# Altium PCB ControleBluePill.PcbDoc
Units mm, origin at the board's own origin, x right, y up, seen from the top; angles counter-clockwise.
Board outline 71.04 x 38.25 mm, 2 copper layers (Top Layer, Bottom Layer); 36 components, 33 nets, 150 pads, 23 vias.
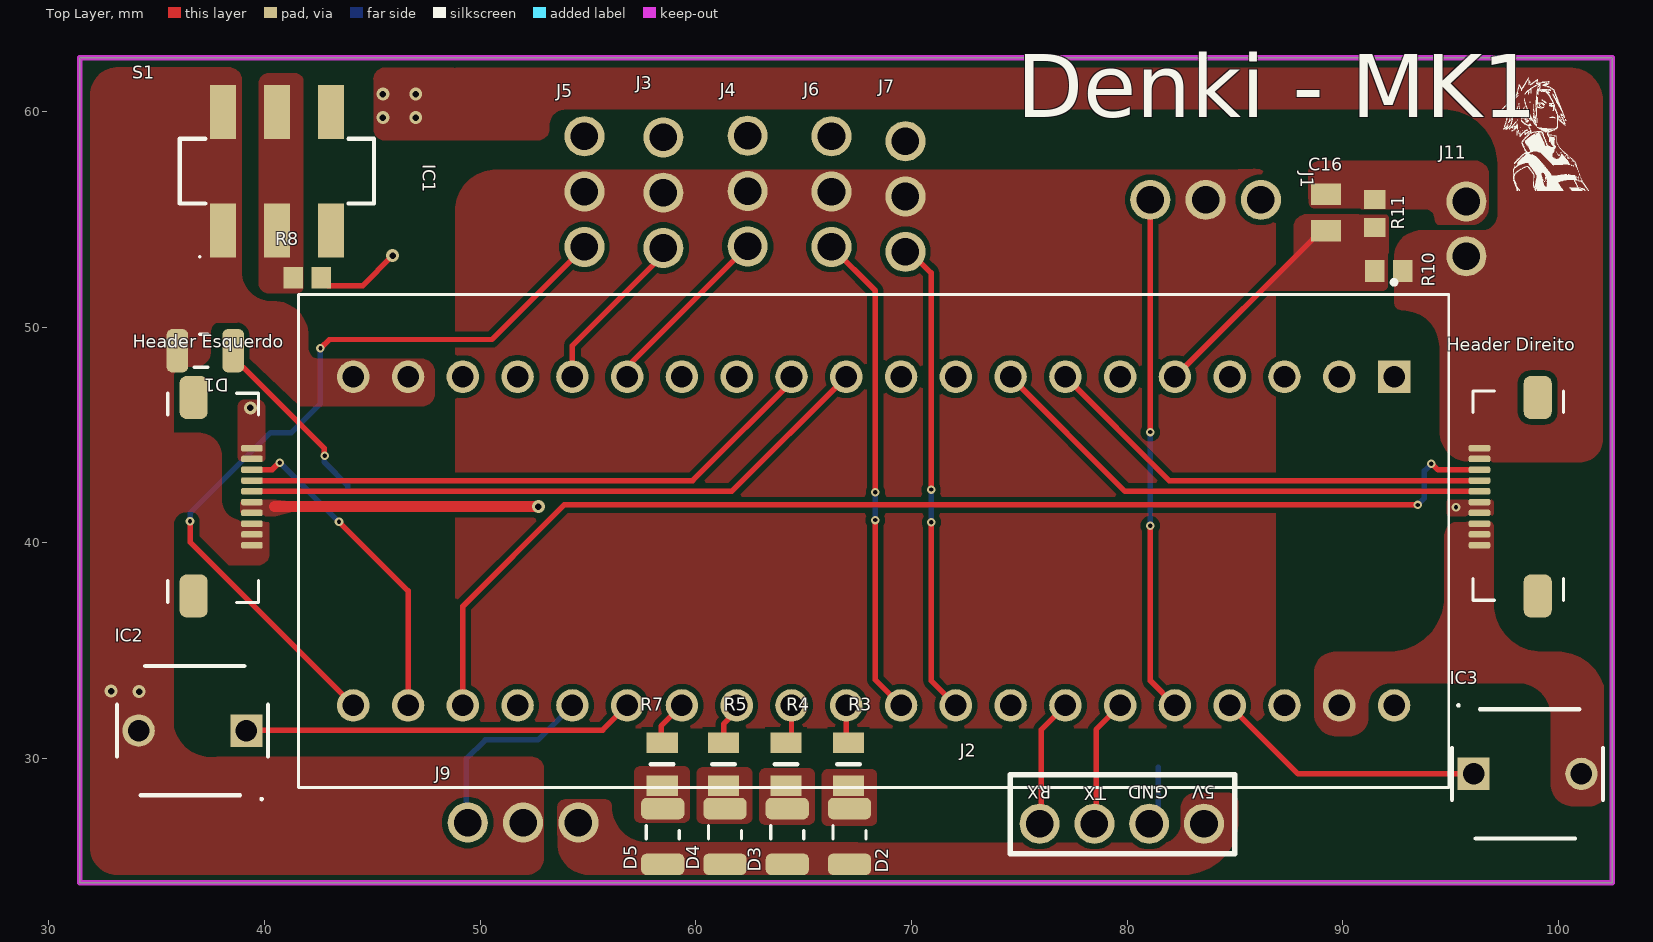
[diagram p0: Top Layer view]
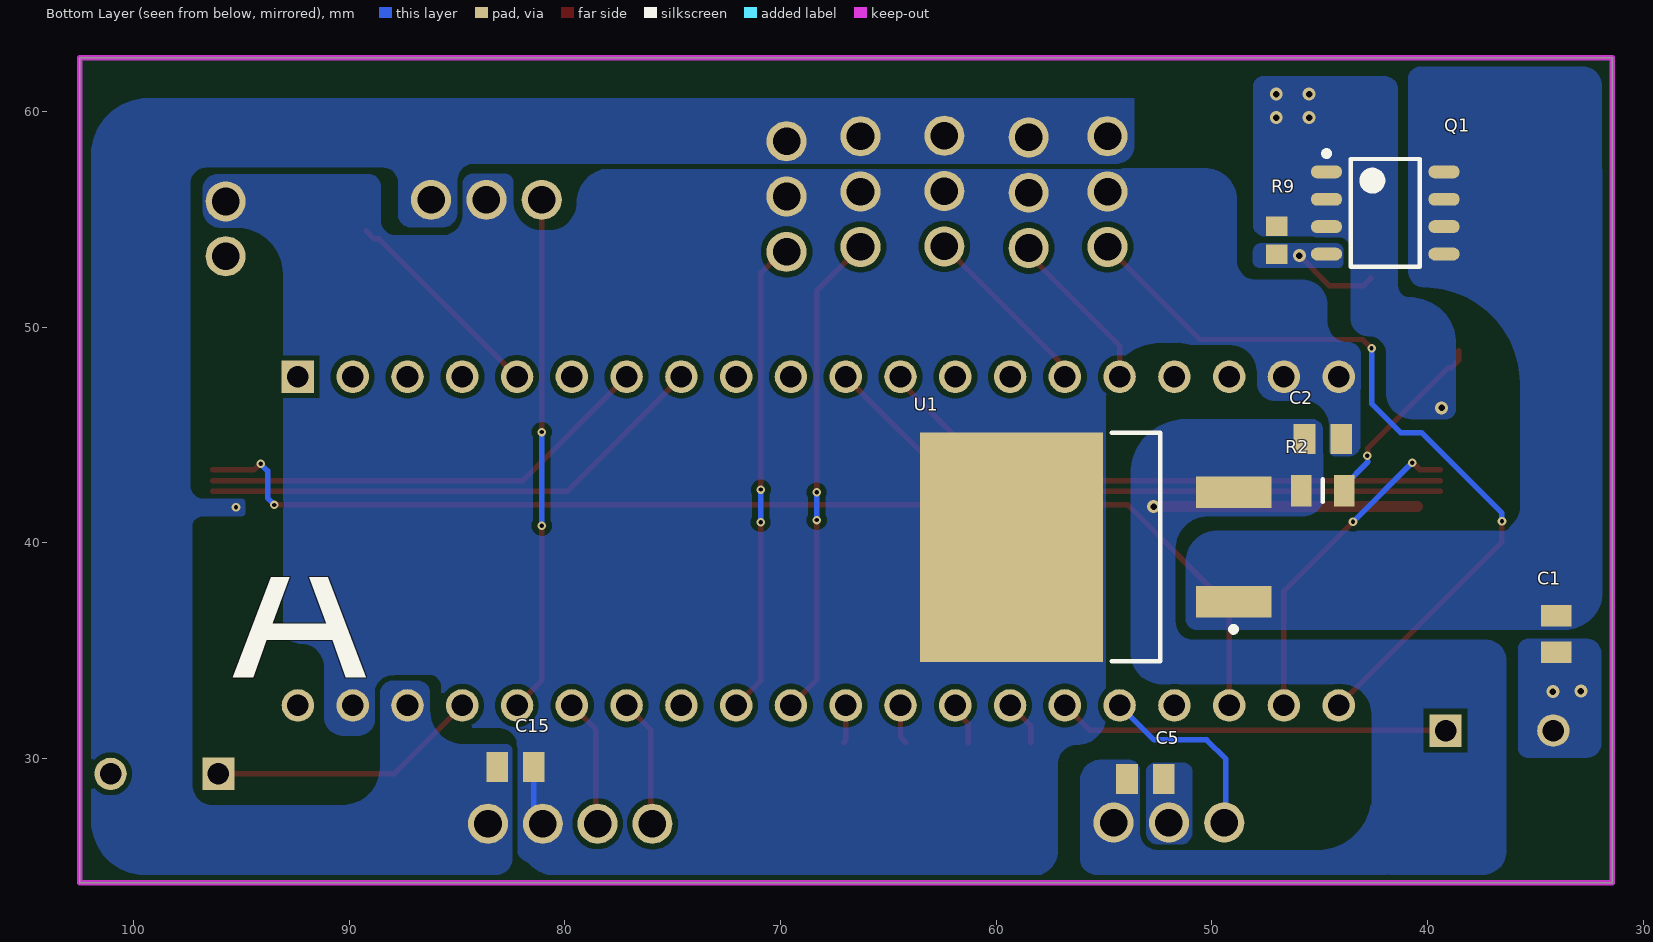
[diagram p1: Bottom Layer view, seen from below]
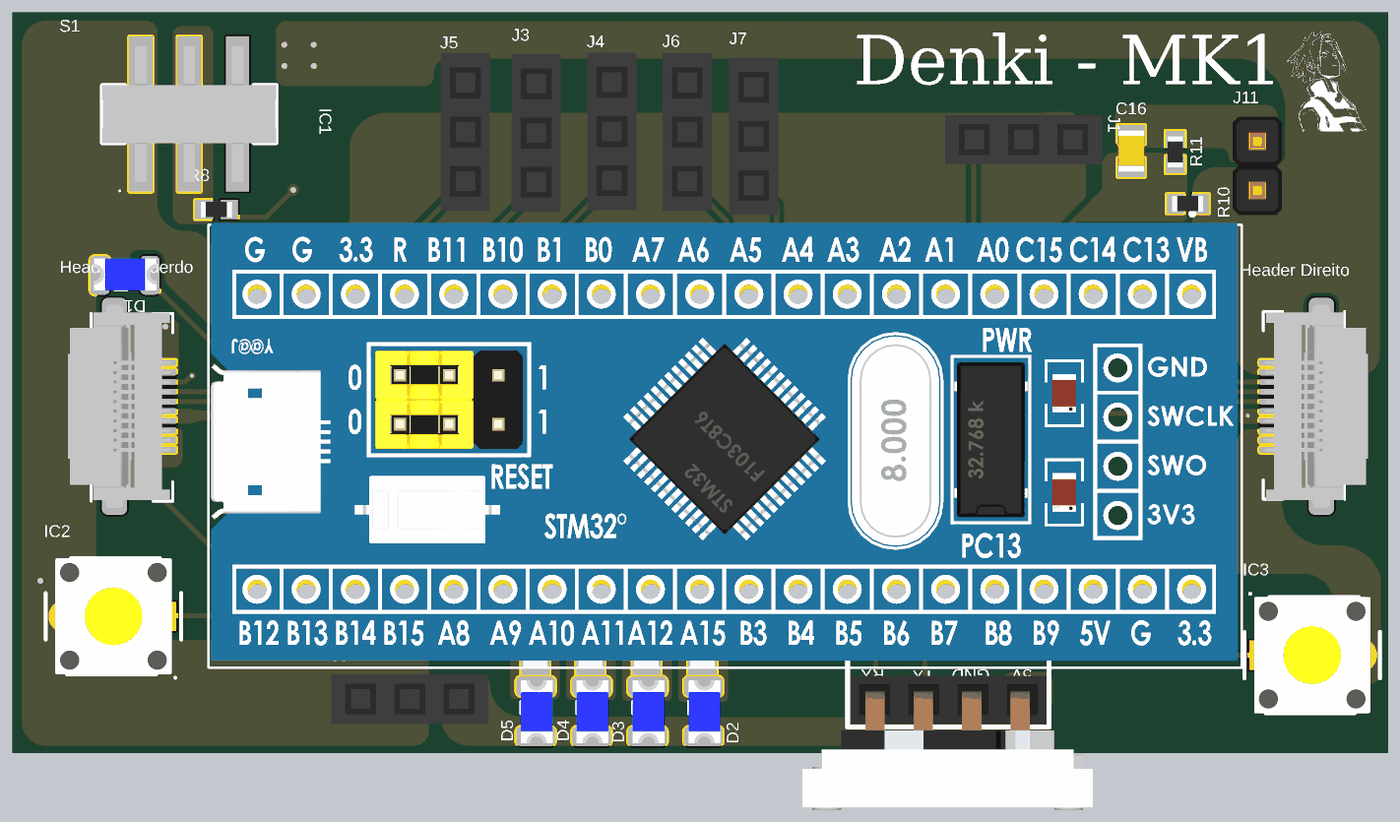
[diagram p2: 3D render of the assembled board from above, using the file's embedded part models]
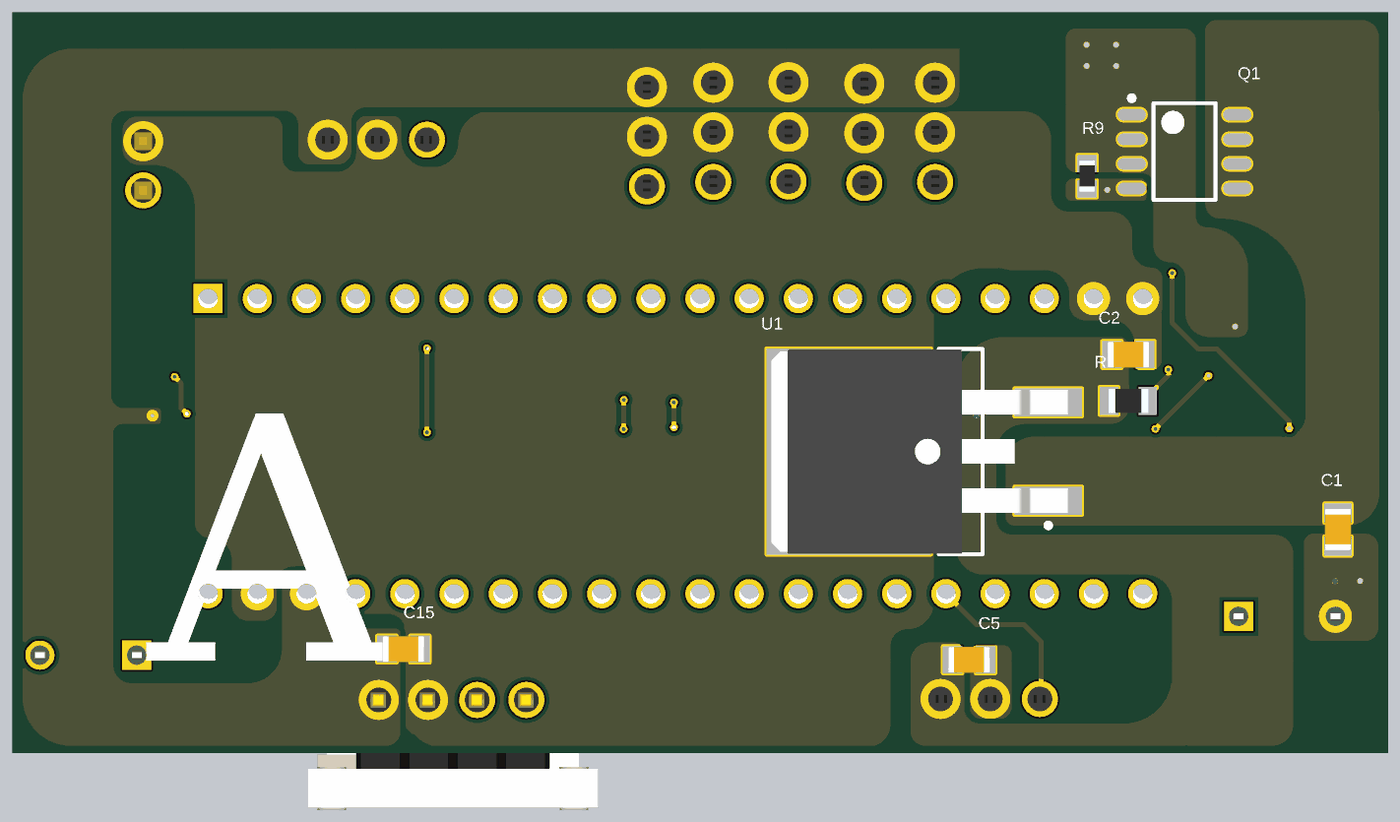
[diagram p3: 3D render of the assembled board from below, using the file's embedded part models]

## Layer stack, top to bottom
Top Solder: solder mask 0.0102, Solder Resist, Dk 3.5
Top Layer: signal copper 0.0356
Dielectric 1: dielectric 0.32, FR-4, Dk 4.8
Bottom Layer: signal copper 0.0356
Bottom Solder: solder mask 0.0102, Solder Resist, Dk 3.5

## Board outline
31.445,24.232 102.489,24.232 102.489,62.484 31.445,62.484

## Design rules (kind name [scope] priority, off if disabled: settings)
Clearance [All] p1: gap=0.254 ignorepadtopadclearanceinfootprint=TRUE except(0: Arc-Hole Track-Hole SMDPad-Hole THPad-Hole Via-Hole Fill-Hole Poly-Hole Region-Hole Text-Hole; 0.1: Arc-Arc Arc-Track Arc-SMDPad Track-Track Track-SMDPad SMDPad-SMDPad)
Height [All] p1: minheight=0 maxheight=1000 prefheight=0
PolygonConnect [All] p1: connectstyle=Direct reliefconductorwidth=0.254 reliefentries=4 polygonreliefangle="90 Angle" airgapwidth=0.254
RoutingVias [All] p1: holewidth=0.711 width=1.27 viastyle="Through Hole" minholewidth=0.711 minwidth=1.27 maxholewidth=0.711 maxwidth=1.27
SolderMaskExpansion [All] p1: expansion=0.102 istentingtop=FALSE
Width [All] p1: maxlimit=1 minlimit=0.254 preferedwidth=0.254 minimp=50.000000 maximp=50.000000 favimp=50.000000
29 further rules are at their usual default settings.

## Classes and differential pairs
component class FontesLineares: C1 C2 D1 Q1 R2 R8 R9 S1 U1
component class controleSTM: C5 C15 C16 D2 D3 D4 D5 "Header Direito" "Header Esquerdo" IC1 IC2 IC3 J1 J2 J3 J4 J5 J6 J7 J9 J11 R3 R4 R5 R7 R10 R11

## Components (designator, comment, footprint, x,y, rotation, side; value= is the part's Value field where it differs from the comment)
C1 "0.33 uF" C0805 34.044,35.775 r90 bottom
C2 "0.1uF" C0805 44.856,44.806 r0 bottom
C5 "0.1uF" C0805 53.086,29.058 r180 bottom
C15 "0.1uF" C0805 82.296,29.591 r0 bottom
C16 "100 nF" C0805 89.23,55.321 r270 top
D1 "Blue" DIODO_2-SMD-3215 37.254,48.907 r0 top
D2 "Blue" DIODO_2-SMD-3215 67.132,26.391 r270 top
D3 "Blue" DIODO_2-SMD-3215 64.245,26.391 r270 top
D4 "Blue" DIODO_2-SMD-3215 61.358,26.391 r270 top
D5 "Blue" DIODO_2-SMD-3215 58.471,26.391 r270 top
"Header Direito" "505278-1033" FPC_CON 97.942,42.139 r90 top
"Header Esquerdo" "505278-1033" FPC_CON 37.821,42.139 r270 top
IC1 "STM32 \"BluePill\"" BluePill 41.326,51.765 r270 top
IC2 "Push buttom TH - 2 pin" "BUTTON - TH - 2PIN" 39.667,28.293 r180 top
IC3 "Push buttom TH - 2 pin" "BUTTON - TH - 2PIN" 95.567,32.288 r0 top
J1 "Female Header 3" "FEMALE HEADER 3" 86.207,55.905 r180 top
J2 "Bluetooth" BLUETOOTH 83.566,26.975 r180 top
J3 "Female Header 3" "FEMALE HEADER 3" 58.496,58.801 r270 top
J4 "Female Header 3" "FEMALE HEADER 3" 62.408,58.876 r270 top
J5 "Female Header 3" "FEMALE HEADER 3" 54.839,58.851 r270 top
J6 "Female Header 3" "FEMALE HEADER 3" 66.294,58.851 r270 top
J7 "Female Header 3" "FEMALE HEADER 3" 69.723,58.622 r270 top
J9 "Female Header 3" "FEMALE HEADER 3" 49.429,27.026 r0 top
J11 "Male Header 2" "MALE HEADER 2" 95.733,53.289 r90 top
Q1 "FDS6576" SOIC-8 41.961,55.296 r180 bottom
R2 "470R" RESISTOR_0805 44.856,42.418 r0 bottom
R3 "100R" RESISTOR_0805 67.081,29.734 r90 top
R4 "100R" RESISTOR_0805 64.186,29.734 r90 top
R5 "100R" RESISTOR_0805 61.29,29.734 r90 top
R7 "100R" RESISTOR_0805 58.445,29.734 r90 top
R8 "10kR" RESISTOR_0603 41.986,52.299 r0 top
R9 "10kR" RESISTOR_0603 46.99,54.026 r270 bottom
R10 "10kR" RESISTOR_0603 92.141,52.603 r0 top
R11 "3.3kR" RESISTOR_0603 91.491,55.27 r270 top
S1 "JS202011SCQN" DPDT 40.578,57.233 r0 top
U1 "L7805CD2T-TR" D2PAK 55.397,39.802 r0 bottom

## Footprints (in the part's own frame and the unit in brackets; to place one, negate y for a bottom-side part, rotate by r counter-clockwise, add the part's x,y. Pads: shape width x height; smd on the part's side, far side on the other; paste and mask are expansions set on the pad)
BluePill [mil]
  round 59.37 hole 39.37: 3.3V(160,310) 3.3V(760,2010) 5V(760,1810) A0(160,1610) A1(160,1510) A2(160,1410) A3(160,1310) A4(160,1210) A5(160,1110) A6(160,1010) A7(160,910) A8(760,510) A9(760,610) A10(760,710) A11(760,810) A12(760,910) A15(760,1010) B0(160,810) B1(160,710) B3(760,1110) B4(760,1210) B5(760,1310) B6(760,1410) B7(760,1510) B8(760,1610) B9(760,1710) B10(160,610) B11(160,510) B12(760,110) B13(760,210) B14(760,310) B15(760,410) C13(160,1910) C14(160,1810) C15(160,1710) G(160,110) G(160,210) G(760,1910) R(160,410)
  rect 59.37x59.37 hole 39.37: VB(160,2010)
  silkscreen extent -16,10 910,2110, body extent 6,15 896,2102, height 634
BLUETOOTH [mm]
  round 1.86 hole 1.28: GND(2.54,0) RX(7.62,0) TX(5.08,0) VCC(0,0)
  silkscreen extent -1.42,-2.26 8.99,1.4, body extent -3.67,-1.26 11.33,5.67, height 46
"BUTTON - TH - 2PIN" [mm]
  rect 1.5x1.5 hole 1: 1(0.5,-3)
  round 1.5 hole 1: 2(5.5,-3)
  silkscreen extent -0.5,-6 6.5,0.23, body extent 0,-6 6,0, height 4.2
C0805 [mm]
  rect 1x1.4 smd: 1(-0.85,-0.008) 2(0.85,-0.008)
  body extent -1.07,-0.68 1.07,0.67, height 0.9
D2PAK [mm] "D2-PAK, 3-Pads, Body 7,60x8,64mm (max), IPC Medium Density"
  rect 3.5x1.45 smd: 1(-6.4,2.54) 3(-6.4,-2.54)
  rect 8.5x10.65 smd: 2(3.9,0)
  silkscreen extent -6.52,-5.3 -0.75,5.3, body extent -7.41,-5.28 7.89,5.28, height 4.81
DIODO_2-SMD-3215 [mm]
  rrect50% 1x2 smd: A(1.3,0) C(-1.288,-0.001)
  silkscreen extent -0.51,-0.76 0.13,0.76, body extent -1.61,-0.77 1.66,0.87, height 0.9
DPDT [mm]
  rect 1.2x2.5 smd: A1(0,-2.75) A1(0,2.75) A2(-2.5,-2.75) A2(-2.5,2.75) A3(2.5,-2.75) A3(2.5,2.75)
  silkscreen extent -4.5,-4 4.5,1.5, body extent -4.5,-3.5 4.5,3.5, height 5.65
"FEMALE HEADER 3" [mm]
  round 1.86 hole 1.28: PIN1(0,0) PIN2(2.565,0) PIN3(5.13,0)
  body extent -1.52,-1.27 6.6,1.27, height 8.5
FPC_CON [mm] "Small Outline IC (SOIC), 1.27 mm pitch; 8 pin, 4.90 mm L X 3.90 mm W X 1.75 mm H body"
  rrect50% 0.3x1 smd: 1(-2.25,1.6) 2(-1.75,1.6) 3(-1.25,1.6) 4(-0.75,1.6) 5(-0.25,1.6) 6(0.25,1.6) 7(0.75,1.6) 8(1.25,1.6) 9(1.75,1.6) 10(2.25,1.6)
  rrect50% 2x1.3 smd: MP1(-4.6,-1.1) MP2(4.6,-1.1)
  silkscreen extent -4.8,-2.3 4.9,1.9, body extent -5.25,-3.5 5.25,1.8, height 1.88
"MALE HEADER 2" [mm]
  round 1.86 hole 1.28: PIN1(0,0) PIN2(2.54,0)
  body extent -1.27,-1.27 3.81,1.27, height 8
RESISTOR_0603 [mm]
  rect 0.9x1 smd: 1(-0.65,0) 2(0.65,0)
  body extent -0.8,-0.4 0.8,0.4, height 0.55
RESISTOR_0805 [mm]
  rect 0.95x1.45 smd: 1(-1,0) 2(1,0)
  silkscreen extent 0,-0.53 0,0.53, body extent -1.02,-0.63 1.02,0.63, height 0.5
SOIC-8 [mm] "SOIC, 8-Leads, Body 4,90x3,90mm, Pitch 1,27mm, IPC Medium Density"
  oval 1.45x0.6 smd: D(2.725,-1.905) D(2.725,-0.635) D(2.725,0.635) D(2.725,1.905) G(-2.725,-1.905) S(-2.725,-0.635) S(-2.725,0.635) S(-2.725,1.905)
  silkscreen extent -2.85,-2.5 1.6,2.88, body extent -2,-2.5 2,2.5, height 1.75

## Part data
C1: library part GCM21BR71E334KA37K, "CAP CER 0.33UF 25V X7R 0805", Manufacturer="Murata Eletronics", Operating Temperature="-55 C ~ 125 C", Package / Case="0805 (2012 Metric)", Supplier Part Number 1=81-GCM21BR71E334KA7K, Tolerance=10%, Voltage - Rated="25 VDC", Category="Ceramic Capacitor", ComponentLink1Description=Datasheet, ComponentLink1URL=https://br.mouser.com/datasheet/2/281/GCM21BR71E334KA37_01-1968656.pdf, ComponentLink2Description="Mouser Link", ComponentLink2URL=https://br.mouser.com/ProductDetail/Murata-Electronics/GCM21BR71E334KA37K?qs=N3Kl9KD794Tg%2FXM5q2uFQQ%3D%3D, ComponentLink3Description=ESR, ComponentLink3URL=https://www.murata.com/en-us/products/productdetail?partno=GCM21BR71E334KA37%23, Dieletric=X7R, Library Control - Checked Footprint=Yes, Library Control - Checked Schematic=Yes, Library Control - Last Update="28/06/2021 00:57", Library Control - Person that Checked Footprint=Nikaum, Library Control - Person that Checked Schematic=Nikaum, Library Control - Person that did the Last Update Footprint=Nikaum, Library Control - Person that did the Last Update Schematic=Nikaum, Library Ref=Capacitor, Part Number=GCM21BR71E334KA37K, Price="1= 0,57, 10= 0,398, 100= 0,239 (USD)", Size / Dimension="2,00 L x 1,25 W x 1,25 H", Supplier 1=Mouser
C2 C5 C15: library part C0805C104M3RACTU, "CAP CER 0.1uF 25V X7R 0805", Manufacturer=Kemet, Operating Temperature="-55 C ~ 125 C", Package / Case="0805(2012 mestric)", Supplier Part Number 1=80-C0805C104M3R, Tolerance=20%, Voltage - Rated="25 VDC", Category="Ceramic Capacitor", ComponentLink1Description=Datasheet, ComponentLink1URL=https://br.mouser.com/datasheet/2/212/KEM_C1002_X7R_SMD-1102033.pdf, ComponentLink2Description="Mouser Link", ComponentLink2URL=https://br.mouser.com/ProductDetail/KEMET/C0805C104M3RACTU?qs=jbCUrP3sAgSIdMuvv9W4Pg%3D%3D, Dieletric=X7R, ESR=-, Library Control - Checked Footprint=No, Library Control - Checked Schematic=Yes, Library Control - Last Update="26/06/2021 20:52", Library Control - Person that Checked Schematic=Guilherme, Library Control - Person that did the Last Update Schematic=Marcos, Library Ref=Capacitor, Part Number=C0805C104M3RACTU, Price="1=0,13 10=0,064 100=0,037 1000=0,025 (USD)", Size / Dimension="1.25 mm W x 2 mm L x 0.78 mm H", Supplier 1=Mouser
C16: library part 885012207128, "CAP CER 100 nF 100V X7R 0805", Manufacturer="Wurth Elektronik", Operating Temperature="-55°C ~125ºC", Package / Case="0805(2012 Metric)", Supplier Part Number 1=710-885012207128, Tolerance=10%, Voltage - Rated="100 VDC", Category="Ceramic capacitor", ComponentLink1Description=Datasheet, ComponentLink1URL=https://br.mouser.com/datasheet/2/445/885012207128-1727772.pdf, ComponentLink2Description="Mouser Link", ComponentLink2URL=https://br.mouser.com/ProductDetail/Wurth-Elektronik/885012207128?qs=MLItCLRbWsys1TnbPEYt%252BQ%3D%3D, Dieletric=X7R, ESR=-, Library Control - Checked Footprint=Yes, Library Control - Checked Schematic=Yes, Library Ref=Capacitor, Part Number=885012207128, Price="1=0,41 10=0,283 100=0,169 1000=0,107 (USD)", Size / Dimension="2 mm L  x 1.25 mm W x 1.25 mm H", Supplier 1=Mouser
D1 D2 D3 D4 D5: library part EAST3215BA5, "LED 75mW BLUE 45MCD 3215", Current - Forward (If)="20 mA", Manufacturer="Everlight Electronics", Max Power Dissipation="75 mW", Operating Temperature="- 40 °C ~ 85 °C", Package / Case=3215, Reverse Voltage="5 V", Supplier Part Number 1=638-EAST3215BA5, Voltage - Forward (Vf)="3,30 V", Category="Standard LEDs - SMD", Color=Blue, ComponentLink1Description="Mouser Link", ComponentLink1URL=https://www.mouser.com/ProductDetail/Everlight/EAST3215BA5?qs=Cqqh%252BS766wnzp9nQVj5A4g==, ComponentLink2Description=Datasheet, ComponentLink2URL=https://www.mouser.com/datasheet/2/143/EAST3215BA5-1154292.pdf, Library Control - Checked Footprint=yes, Library Control - Checked Schematic=yes, Library Control - Last Update="13/06/2021 12:45", Library Control - Person that Checked Footprint=Lucas, Library Control - Person that Checked Schematic=Lucas, Library Control - Person that did the Last Update Footprint="Stéfany (Ster)", Library Control - Person that did the Last Update Schematic="Stéfany (Ster)", Library Ref=Diodo/Led, Luminous Intensity="45 mcd", Max Current Rating="20 mA", Part Number=EAST3215BA5, Price="1 = 0,3800, 10 = 0,2050, 100 = 0.1080 (USD)", Supplier 1=Mouser, Viewing Angle=130°, Wavelength="468 nm"
"Header Direito" "Header Esquerdo": library part 505278-1033_BODY, "CONN FFC/FPC HORZ 10POS 0.50MM", Current Rating (Amps)=500mA, Manufacturer=Molex, Operating Temperature="-40°C ~ 85°C", Supplier Part Number 1=538-505278-1033, Category=Connectors, ComponentLink1Description=Datasheet, ComponentLink1URL=https://br.mouser.com/datasheet/2/276/2/5052781033_FFC_FPC_CONNECTORS-772019.pdf, ComponentLink2Description="Mouser Link", ComponentLink2URL=https://br.mouser.com/ProductDetail/Molex/505278-1033?qs=c8NFF48pVsDStgrQCBOSTg%3D%3D, Contact Length - Mating=0.50mm, Contact Material=Tin, Contact Type=FFC/FPC, Insulation Material="Liquid Crystal Polymer", Library Control - Checked Footprint=Yes, Library Control - Checked Schematic=Yes, Library Control - Last Project that Used=Follow-Final, Library Control - Last Update="24/04/2021 00:25", Library Control - Person that Checked Footprint=Lucas, Library Control - Person that Checked Schematic=Lucas, Library Control - Person that did the Last Update Footprint=Mateus(Dimas), Library Control - Person that did the Last Update Schematic=Mateus(Dimas), Library Ref=Connectors, Mounting Type="Right Angle", Number of Positions=10, Number of Rows=1, Part Number=505278-1033, Pitch=0.50mm, Price="1=0,51000, 10=0,42900, 100=0,33400 (USD)", Supplier 1=Mouser, Termination=SMD
IC2 IC3: "Push buttom true hole with 2 pin", Manufacturer_Name="CUI Inc.", Manufacturer_Part_Number=TS02-66-90-BK-100-SCR-D, ComponentLink1Description=Datasheet, ComponentLink1URL=https://www.gravitech.us/mipubusw2qt4.html, Height=9.2mm
J2: library part "Barramento Bluetooth", "BARRAMENTO BLUETOOTH HC-06", Frequency="2,4 GHz", Operating Voltage="3,6 / 6 (V)", Recomended Operating Configuration="5V @ 50mA", Bluetooth Mode="Slave Only", Library Ref=Header, Max Range=10m, Maximum Serial Transmission Rate="9600 bps", Modulation="GFSK (Gaussian Frequency Shift Keying)", Number of Contacts=4
Q1: "MOSFET P-CH 20V 11A SOIC-8", Current - Continuous Drain (Id) @25°C=-11A, Drain to Source Voltage (Vds)=-20V, Drive Voltage (Max Rds On, Min Rds On)="-2.5V ~4.5V", Input Capacitance (Ciss) (Max) @Vds=4044pF@-10V, Manufacturer="onsemi / Fairchild", Operating Temperature="-55 °C ~150 °C", Package / Case=SOIC-8, Power Dissipation (Max)=2.5W, Supplier Part Number 1=512-FDS6576, ComponentLink1Description=Datasheet, ComponentLink1URL=https://br.mouser.com/datasheet/2/308/1/FDS6576_D-1808687.pdf, ComponentLink2Description=Mouser, ComponentLink2URL=https://br.mouser.com/ProductDetail/onsemi-Fairchild/FDS6576?qs=FOlmdCx%252BAA1N14vq5QZP7Q%3D%3D, FET Type=P-Channel, Gate Charge (Qg) (Max) @ Vgs=60nC@-4.5V, Library Ref=Mosfet, Part Number=SOIC-8, Price="1=1.34, 10=1.20, 100=0.932, 500=0.77, 1000=0.608 (USD)", Rds On (Max) @ Id, Vgs="23mOhms @ -11A, -4.5V", Rise / Fall Time (Typ)="17 / 79 (ns)", Supplier 1=Mouser, Vgs (Max)=12V, Vgs(th) (Max) Id=-1.5V@-250uA
R2: library part ERJ-6GEYJ471V, "RES SMD 470 OHM 5% 1/8W 0805", Manufacturer=Panasonic, Operating Temperature="- 55ºC ~ 155ºC", Package / Case="0805 (2012 Metric)", Part Number=667-ERJ-6GEYJ471V, Power Rating="125 mW (1/8 W)", Resistor Type=Fixo, Temperature Coefficient="200 PPM / C", Tolerance="5 %", Voltage Rating="150 V", Category="Thick Film Resistors - SMD", ComponentLink1Description="Datasheet Link", ComponentLink1URL=https://br.mouser.com/datasheet/2/315/AOA0000C301-1488782.pdf, ComponentLink2Description="Mouser Link", ComponentLink2URL=https://www.mouser.com/ProductDetail/Panasonic/ERJ-6GEYJ471V?qs=%2Fha2pyFadujWqMGonbcVXQOcxwQBA8OuqUzw3XmrY6vv5LW7wYDrug%3D%3D, Library Control - Checked Footprint=No, Library Control - Checked Schematic=Yes, Library Control - Last Update="20/06/21 16:06", Library Control - Person that Checked Schematic=Marcos, Library Control - Person that did the Last Update Footprint=Dalarme, Library Control - Person that did the Last Update Schematic=Marcos, Library Ref=Resistor, Price="1=0,1000, 10=0,04300, 100=0,02000 1000 = 0,009(USD)", Size / Dimension="2 mm L x  1.25 mm W x  0.6 mm H", Supplier 1=Mouser, Supplier Part Number 1=667-ERJ-6GEYJ471V